# KiCad board EOutside.kicad_pcb (continued)
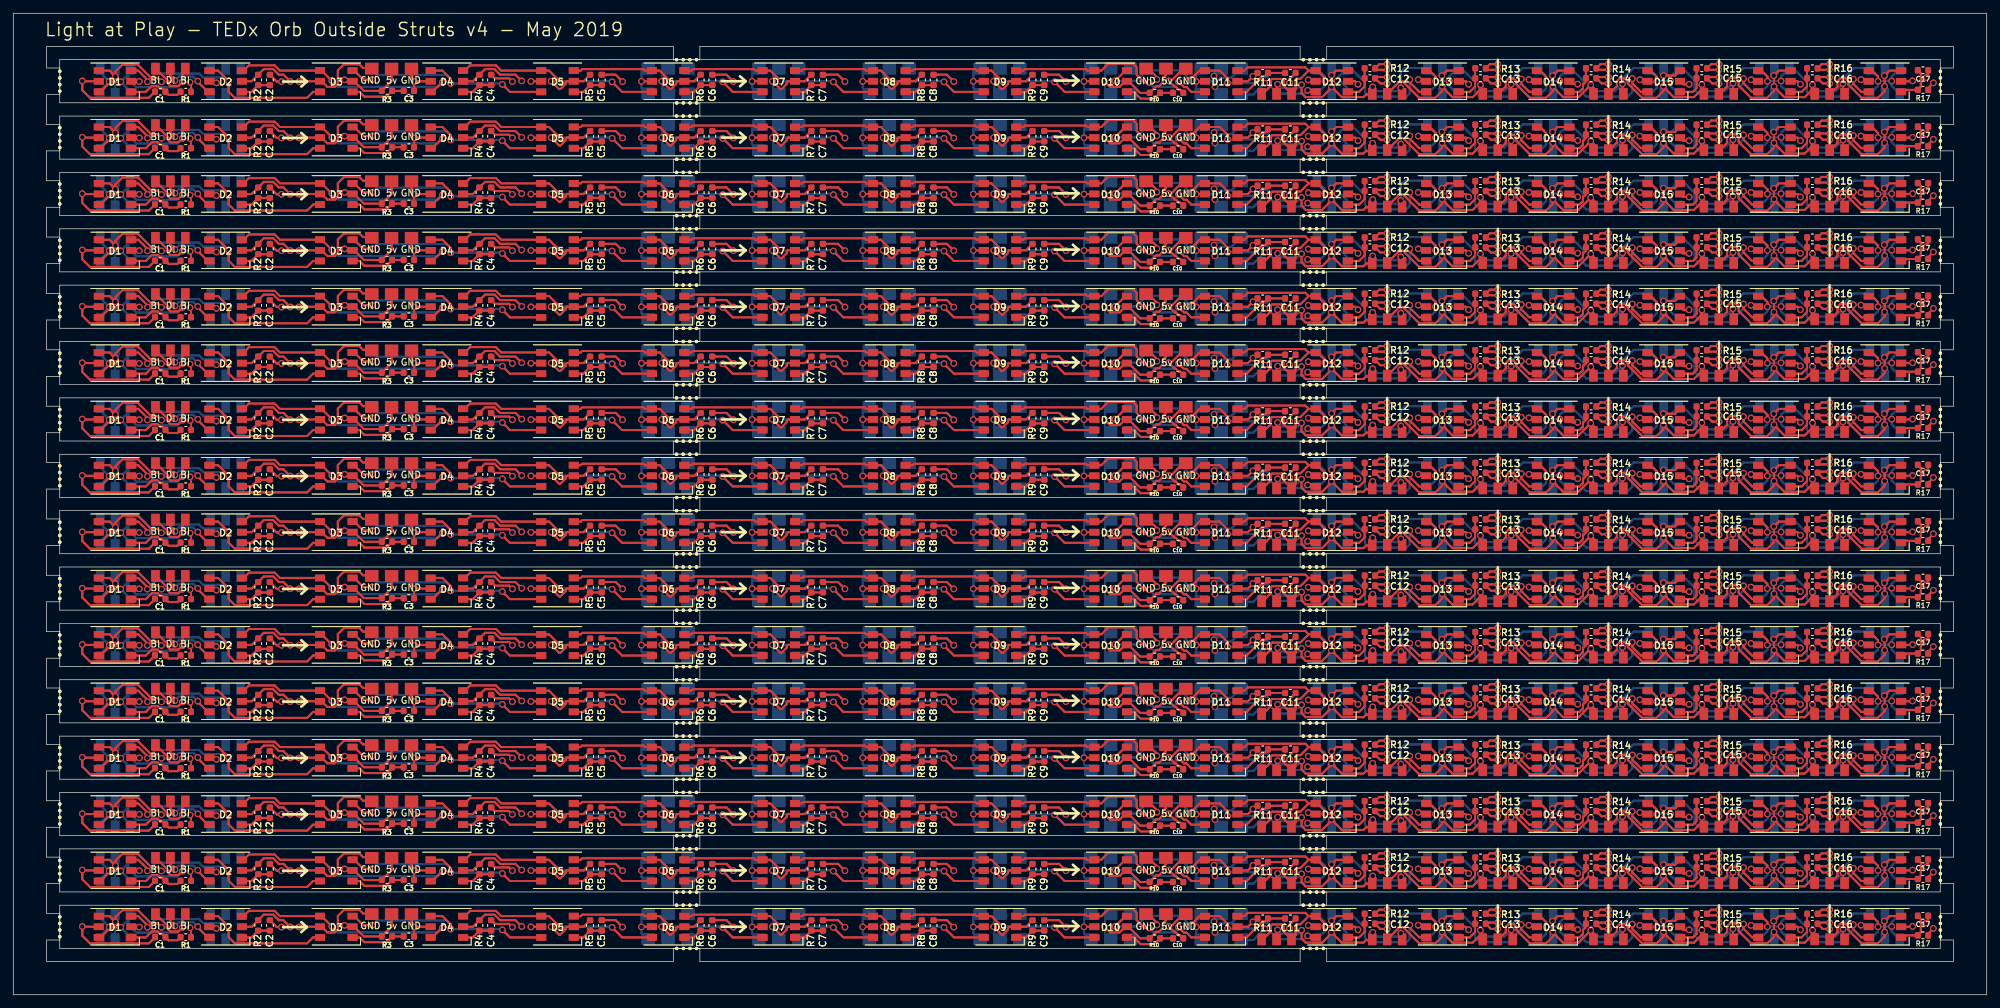
[diagram p0: board, top side]
## Routing (per net, layer and track width the routed paths; a pad name or vN(x,y) marks a point on that pad's centre or on a via; arc(x,y) is an arc through that point) (continued)
Net-(C17-Pad1): length 190.4
  Top w0.3: R17#2.2 287.4,128.41 ; R17#2.2 284.75,127.95 ; R17#2.2 284.75,127.95 ; R17#2.2 287.4,128.41 ; 287.4,128.41 287.4,130.44 ; 287.4,128.41 287.4,130.44 ; 287.4,130.44 C17#2.1 287.4,130.44 ; 284.75,127.95 D17#2.1 284.75,127.95 ; R17#3.2 287.4,119.91 ; R17#3.2 284.75,119.45 ; R17#3.2 287.4,119.91 ; R17#3.2 284.75,119.45 ; 287.4,119.91 287.4,121.94 ; 287.4,119.91 287.4,121.94 ; 287.4,121.94 C17#3.1 287.4,121.94 ; 284.75,119.45 D17#3.1 284.75,119.45 ; R17#4.2 284.75,110.95 ; R17#4.2 287.4,111.41 ; R17#4.2 284.75,110.95 ; R17#4.2 287.4,111.41 ; 284.75,110.95 D17#4.1 284.75,110.95 ; 287.4,111.41 287.4,113.44 ; 287.4,111.41 287.4,113.44 ; 287.4,113.44 C17#4.1 287.4,113.44 ; R17.2 287.4,136.91 ; R17.2 284.75,136.45 ; R17.2 287.4,136.91 ; R17.2 284.75,136.45 ; 287.4,136.91 287.4,138.94 ; 287.4,136.91 287.4,138.94 ; 287.4,138.94 C17.1 287.4,138.94 ; 284.75,136.45 D17.1 284.75,136.45 ; R17#11.2 287.4,102.91 ; R17#11.2 284.75,102.45 ; R17#11.2 287.4,102.91 ; R17#11.2 284.75,102.45 ; 287.4,102.91 287.4,104.94 ; 287.4,102.91 287.4,104.94 ; 287.4,104.94 C17#11.1 287.4,104.94 ; 284.75,102.45 D17#10.1 284.75,102.45 ; R17#13.2 284.75,93.95 ; R17#13.2 287.4,94.41 ; R17#13.2 284.75,93.95 ; R17#13.2 287.4,94.41 ; 284.75,93.95 D17#11.1 284.75,93.95 ; 287.4,94.41 287.4,96.44 ; 287.4,94.41 287.4,96.44 ; 287.4,96.44 C17#13.1 287.4,96.44 ; R17#10.2 284.75,76.95 ; R17#10.2 287.4,77.41 ; R17#10.2 284.75,76.95 ; R17#10.2 287.4,77.41 ; 284.75,76.95 D17#12.1 284.75,76.95 ; 287.4,77.41 287.4,79.44 ; 287.4,77.41 287.4,79.44 ; 287.4,79.44 C17#10.1 287.4,79.44 ; R17#9.2 287.4,85.91 ; R17#9.2 284.75,85.45 ; R17#9.2 287.4,85.91 ; R17#9.2 284.75,85.45 ; 287.4,85.91 287.4,87.94 ; 287.4,85.91 287.4,87.94 ; 287.4,87.94 C17#9.1 287.4,87.94 ; 284.75,85.45 D17#9.1 284.75,85.45 ; R17#20.2 284.75,51.45 ; R17#20.2 287.4,51.91 ; R17#20.2 287.4,51.91 ; R17#20.2 284.75,51.45 ; 284.75,51.45 D17#18.1 284.75,51.45 ; 287.4,51.91 287.4,53.94 ; 287.4,51.91 287.4,53.94 ; 287.4,53.94 C17#18.1 287.4,53.94 ; R17#17.2 284.75,59.95 ; R17#17.2 287.4,60.41 ; R17#17.2 284.75,59.95 ; R17#17.2 287.4,60.41 ; 284.75,59.95 D17#17.1 284.75,59.95 ; 287.4,60.41 287.4,62.44 ; 287.4,60.41 287.4,62.44 ; 287.4,62.44 C17#20.1 287.4,62.44 ; R17#22.2 287.4,68.91 ; R17#22.2 284.75,68.45 ; R17#22.2 287.4,68.91 ; R17#22.2 284.75,68.45 ; 287.4,68.91 287.4,70.94 ; 287.4,68.91 287.4,70.94 ; 287.4,70.94 C17#22.1 287.4,70.94 ; 284.75,68.45 D17#20.1 284.75,68.45 ; R17#19.2 284.75,42.95 ; R17#19.2 287.4,43.41 ; R17#19.2 284.75,42.95 ; R17#19.2 287.4,43.41 ; 284.75,42.95 D17#22.1 284.75,42.95 ; 287.4,43.41 287.4,45.44 ; 287.4,43.41 287.4,45.44 ; 287.4,45.44 C17#17.1 287.4,45.44 ; R17#29.2 284.75,8.95 ; R17#29.2 287.4,9.41 ; R17#29.2 284.75,8.95 ; R17#29.2 287.4,9.41 ; 284.75,8.95 D17#25.1 284.75,8.95 ; 287.4,9.41 287.4,11.44 ; 287.4,9.41 287.4,11.44 ; 287.4,11.44 C17#29.1 287.4,11.44 ; R17#27.2 287.4,34.91 ; R17#27.2 284.75,34.45 ; R17#27.2 287.4,34.91 ; R17#27.2 284.75,34.45 ; 287.4,34.91 287.4,36.94 ; 287.4,34.91 287.4,36.94 ; 287.4,36.94 C17#28.1 287.4,36.94 ; 284.75,34.45 D17#28.1 284.75,34.45 ; R17#25.2 287.4,17.91 ; R17#25.2 284.75,17.45 ; R17#25.2 287.4,17.91 ; R17#25.2 284.75,17.45 ; 287.4,17.91 287.4,19.94 ; 287.4,17.91 287.4,19.94 ; 287.4,19.94 C17#25.1 287.4,19.94 ; 284.75,17.45 D17#26.1 284.75,17.45 ; R17#30.2 284.75,25.95 ; R17#30.2 287.4,26.41 ; R17#30.2 284.75,25.95 ; R17#30.2 287.4,26.41 ; 284.75,25.95 D17#27.1 284.75,25.95 ; 287.4,26.41 287.4,28.44 ; 287.4,26.41 287.4,28.44 ; 287.4,28.44 C17#26.1 287.4,28.44
Net-(D1-Pad3): length 1157.3
  Top w0.3: 33.38,126.75 32.44,127.69 ; 33.38,126.75 44.27,126.75 ; 33.38,126.75 32.44,127.69 ; 33.38,126.75 44.27,126.75 ; 32.44,127.69 32.44,128.57 ; 32.44,127.69 32.44,128.57 ; 44.27,126.75 45.17,127.65 ; 44.27,126.75 45.17,127.65 ; 45.17,127.65 D3#2.6 45.17,127.65 ; 32.44,128.57 v1(32.44,129.27) ; 32.44,128.57 v1(32.44,129.27) ; 30.86,130.85 D2#2.4 30.86,130.85 ; 30.86,130.85 31.94,129.77 ; 30.86,130.85 31.94,129.77 ; v1(32.44,129.27) 31.94,129.77 ; v1(32.44,129.27) 31.94,129.77 ; 18.83,130.85 20.21,129.47 ; 18.83,130.85 D1#2.3 18.83,130.85 ; 18.83,130.85 20.21,129.47 ; 20.21,129.47 v1(20.21,129.17) 20.21,129.47 ; 33.38,118.25 32.44,119.19 ; 33.38,118.25 44.27,118.25 ; 33.38,118.25 32.44,119.19 ; 33.38,118.25 44.27,118.25 ; 32.44,119.19 32.44,120.07 ; 32.44,119.19 32.44,120.07 ; 44.27,118.25 45.17,119.15 ; 44.27,118.25 45.17,119.15 ; 45.17,119.15 D3#3.6 45.17,119.15 ; 32.44,120.07 v1(32.44,120.77) ; 32.44,120.07 v1(32.44,120.77) ; 30.86,122.35 D2#3.4 30.86,122.35 ; 30.86,122.35 31.94,121.27 ; 30.86,122.35 31.94,121.27 ; v1(32.44,120.77) 31.94,121.27 ; v1(32.44,120.77) 31.94,121.27 ; 18.83,122.35 20.21,120.97 ; 18.83,122.35 D1#4.3 18.83,122.35 ; 18.83,122.35 20.21,120.97 ; 20.21,120.97 v1(20.21,120.67) 20.21,120.97 ; 33.38,109.75 32.44,110.69 ; 33.38,109.75 44.27,109.75 ; 33.38,109.75 32.44,110.69 ; 33.38,109.75 44.27,109.75 ; 32.44,110.69 32.44,111.57 ; 32.44,110.69 32.44,111.57 ; 45.17,110.65 D3#4.6 45.17,110.65 ; 45.17,110.65 44.27,109.75 ; 45.17,110.65 44.27,109.75 ; 32.44,111.57 v1(32.44,112.27) ; 32.44,111.57 v1(32.44,112.27) ; 18.83,113.85 D1#3.3 18.83,113.85 ; 18.83,113.85 20.21,112.47 ; 18.83,113.85 20.21,112.47 ; 30.86,113.85 D2#4.4 30.86,113.85 ; 30.86,113.85 31.94,112.77 ; 30.86,113.85 31.94,112.77 ; v1(32.44,112.27) 31.94,112.77 ; v1(32.44,112.27) 31.94,112.77 ; 20.21,112.47 v1(20.21,112.17) 20.21,112.47 ; 33.38,135.25 32.44,136.19 ; 33.38,135.25 44.27,135.25 ; 33.38,135.25 32.44,136.19 ; 33.38,135.25 44.27,135.25 ; 32.44,136.19 32.44,137.07 ; 32.44,136.19 32.44,137.07 ; 44.27,135.25 45.17,136.15 ; 44.27,135.25 45.17,136.15 ; 45.17,136.15 D3.6 45.17,136.15 ; 32.44,137.07 v1(32.44,137.77) ; 32.44,137.07 v1(32.44,137.77) ; 30.86,139.35 D2.4 30.86,139.35 ; 30.86,139.35 31.94,138.27 ; 30.86,139.35 31.94,138.27 ; v1(32.44,137.77) 31.94,138.27 ; v1(32.44,137.77) 31.94,138.27 ; 18.83,139.35 20.21,137.97 ; 18.83,139.35 D1.3 18.83,139.35 ; 18.83,139.35 20.21,137.97 ; 20.21,137.97 v1(20.21,137.67) 20.21,137.97 ; 33.38,101.25 32.44,102.19 ; 33.38,101.25 44.27,101.25 ; 33.38,101.25 32.44,102.19 ; 33.38,101.25 44.27,101.25 ; 32.44,102.19 32.44,103.07 ; 32.44,102.19 32.44,103.07 ; 44.27,101.25 45.17,102.15 ; 44.27,101.25 45.17,102.15 ; 45.17,102.15 D3#11.6 45.17,102.15 ; 32.44,103.07 v1(32.44,103.77) ; 32.44,103.07 v1(32.44,103.77) ; 30.86,105.35 D2#12.4 30.86,105.35 ; 30.86,105.35 31.94,104.27 ; 30.86,105.35 31.94,104.27 ; v1(32.44,103.77) 31.94,104.27 ; v1(32.44,103.77) 31.94,104.27 ; 18.83,105.35 20.21,103.97 ; 18.83,105.35 D1#14.3 18.83,105.35 ; 18.83,105.35 20.21,103.97 ; 20.21,103.97 v1(20.21,103.67) 20.21,103.97 ; 33.38,92.75 32.44,93.69 ; 33.38,92.75 44.27,92.75 ; 33.38,92.75 32.44,93.69 ; 33.38,92.75 44.27,92.75 ; 32.44,93.69 32.44,94.57 ; 32.44,93.69 32.44,94.57 ; 45.17,93.65 D3#13.6 45.17,93.65 ; 45.17,93.65 44.27,92.75 ; 45.17,93.65 44.27,92.75 ; 32.44,94.57 v1(32.44,95.27) ; 32.44,94.57 v1(32.44,95.27) ; 18.83,96.85 D1#11.3 18.83,96.85 ; 18.83,96.85 20.21,95.47 ; 18.83,96.85 20.21,95.47 ; 30.86,96.85 D2#14.4 30.86,96.85 ; 30.86,96.85 31.94,95.77 ; 30.86,96.85 31.94,95.77 ; v1(32.44,95.27) 31.94,95.77 ; v1(32.44,95.27) 31.94,95.77 ; 20.21,95.47 v1(20.21,95.17) 20.21,95.47 ; 33.38,75.75 32.44,76.69 ; 33.38,75.75 44.27,75.75 ; 33.38,75.75 32.44,76.69 ; 33.38,75.75 44.27,75.75 ; 32.44,76.69 32.44,77.57 ; 32.44,76.69 32.44,77.57 ; 45.17,76.65 D3#10.6 45.17,76.65 ; 45.17,76.65 44.27,75.75 ; 45.17,76.65 44.27,75.75 ; 32.44,77.57 v1(32.44,78.27) ; 32.44,77.57 v1(32.44,78.27) ; 18.83,79.85 D1#9.3 18.83,79.85 ; 18.83,79.85 20.21,78.47 ; 18.83,79.85 20.21,78.47 ; 30.86,79.85 D2#11.4 30.86,79.85 ; 30.86,79.85 31.94,78.77 ; 30.86,79.85 31.94,78.77 ; v1(32.44,78.27) 31.94,78.77 ; v1(32.44,78.27) 31.94,78.77 ; 20.21,78.47 v1(20.21,78.17) 20.21,78.47 ; 33.38,84.25 32.44,85.19 ; 33.38,84.25 44.27,84.25 ; 33.38,84.25 32.44,85.19 ; 33.38,84.25 44.27,84.25 ; 32.44,85.19 32.44,86.07 ; 32.44,85.19 32.44,86.07 ; 44.27,84.25 45.17,85.15 ; 44.27,84.25 45.17,85.15 ; 45.17,85.15 D3#9.6 45.17,85.15 ; 32.44,86.07 v1(32.44,86.77) ; 32.44,86.07 v1(32.44,86.77) ; 30.86,88.35 D2#9.4 30.86,88.35 ; 30.86,88.35 31.94,87.27 ; 30.86,88.35 31.94,87.27 ; v1(32.44,86.77) 31.94,87.27 ; v1(32.44,86.77) 31.94,87.27 ; 18.83,88.35 20.21,86.97 ; 18.83,88.35 D1#10.3 18.83,88.35 ; 18.83,88.35 20.21,86.97 ; 20.21,86.97 v1(20.21,86.67) 20.21,86.97 ; 33.38,67.25 32.44,68.19 ; 33.38,67.25 44.27,67.25 ; 33.38,67.25 32.44,68.19 ; 33.38,67.25 44.27,67.25 ; 32.44,68.19 32.44,69.07 ; 32.44,68.19 32.44,69.07 ; 44.27,67.25 45.17,68.15 ; 44.27,67.25 45.17,68.15 ; 45.17,68.15 D3#18.6 45.17,68.15 ; 32.44,69.07 v1(32.44,69.77) ; 32.44,69.07 v1(32.44,69.77) ; 30.86,71.35 D2#19.4 30.86,71.35 ; 30.86,71.35 31.94,70.27 ; 30.86,71.35 31.94,70.27 ; v1(32.44,69.77) 31.94,70.27 ; v1(32.44,69.77) 31.94,70.27 ; 18.83,71.35 20.21,69.97 ; 18.83,71.35 D1#20.3 18.83,71.35 ; 18.83,71.35 20.21,69.97 ; 20.21,69.97 v1(20.21,69.67) 20.21,69.97 ; 18.83,62.85 D1#17.3 18.83,62.85 ; 18.83,62.85 20.21,61.47 ; 18.83,62.85 20.21,61.47 ; 30.86,62.85 D2#20.4 30.86,62.85 ; 30.86,62.85 31.94,61.77 ; 30.86,62.85 31.94,61.77 ; 32.44,60.57 v1(32.44,61.27) ; 32.44,60.57 32.44,59.69 ; 32.44,60.57 32.44,59.69 ; 32.44,60.57 v1(32.44,61.27) ; v1(32.44,61.27) 31.94,61.77 ; v1(32.44,61.27) 31.94,61.77 ; 20.21,61.47 v1(20.21,61.17) 20.21,61.47 ; 45.17,59.65 44.27,58.75 ; 45.17,59.65 D3#19.6 45.17,59.65 ; 45.17,59.65 44.27,58.75 ; 44.27,58.75 33.38,58.75 ; 44.27,58.75 33.38,58.75 ; 33.38,58.75 32.44,59.69 ; 33.38,58.75 32.44,59.69 ; 33.38,41.75 32.44,42.69 ; 33.38,41.75 44.27,41.75 ; 33.38,41.75 32.44,42.69 ; 33.38,41.75 44.27,41.75 ; 32.44,42.69 32.44,43.57 ; 32.44,42.69 32.44,43.57 ; 45.17,42.65 D3#17.6 45.17,42.65 ; 45.17,42.65 44.27,41.75 ; 45.17,42.65 44.27,41.75 ; 32.44,43.57 v1(32.44,44.27) ; 32.44,43.57 v1(32.44,44.27) ; 18.83,45.85 D1#18.3 18.83,45.85 ; 18.83,45.85 20.21,44.47 ; 18.83,45.85 20.21,44.47 ; 30.86,45.85 D2#18.4 30.86,45.85 ; 30.86,45.85 31.94,44.77 ; 30.86,45.85 31.94,44.77 ; v1(32.44,44.27) 31.94,44.77 ; v1(32.44,44.27) 31.94,44.77 ; 20.21,44.47 v1(20.21,44.17) 20.21,44.47 ; 33.38,50.25 32.44,51.19 ; 33.38,50.25 44.27,50.25 ; 33.38,50.25 32.44,51.19 ; 33.38,50.25 44.27,50.25 ; 32.44,51.19 32.44,52.07 ; 32.44,51.19 32.44,52.07 ; 44.27,50.25 45.17,51.15 ; 44.27,50.25 45.17,51.15 ; 45.17,51.15 D3#23.6 45.17,51.15 ; 32.44,52.07 v1(32.44,52.77) ; 32.44,52.07 v1(32.44,52.77) ; 30.86,54.35 D2#17.4 30.86,54.35 ; 30.86,54.35 31.94,53.27 ; 30.86,54.35 31.94,53.27 ; v1(32.44,52.77) 31.94,53.27 ; v1(32.44,52.77) 31.94,53.27 ; 18.83,54.35 20.21,52.97 ; 18.83,54.35 D1#22.3 18.83,54.35 ; 18.83,54.35 20.21,52.97 ; 20.21,52.97 v1(20.21,52.67) 20.21,52.97 ; 33.38,24.75 32.44,25.69 ; 33.38,24.75 44.27,24.75 ; 33.38,24.75 32.44,25.69 ; 33.38,24.75 44.27,24.75 ; 32.44,25.69 32.44,26.57 ; 32.44,25.69 32.44,26.57 ; 45.17,25.65 D3#25.6 45.17,25.65 ; 45.17,25.65 44.27,24.75 ; 45.17,25.65 44.27,24.75 ; 32.44,26.57 v1(32.44,27.27) ; 32.44,26.57 v1(32.44,27.27) ; 18.83,28.85 D1#27.3 18.83,28.85 ; 18.83,28.85 20.21,27.47 ; 18.83,28.85 20.21,27.47 ; 30.86,28.85 D2#25.4 30.86,28.85 ; 30.86,28.85 31.94,27.77 ; 30.86,28.85 31.94,27.77 ; v1(32.44,27.27) 31.94,27.77 ; v1(32.44,27.27) 31.94,27.77 ; 20.21,27.47 v1(20.21,27.17) 20.21,27.47 ; 33.38,7.75 32.44,8.69 ; 33.38,7.75 44.27,7.75 ; 33.38,7.75 32.44,8.69 ; 33.38,7.75 44.27,7.75 ; 32.44,8.69 32.44,9.57 ; 32.44,8.69 32.44,9.57 ; 45.17,8.65 D3#28.6 45.17,8.65 ; 45.17,8.65 44.27,7.75 ; 45.17,8.65 44.27,7.75 ; 32.44,9.57 v1(32.44,10.27) ; 32.44,9.57 v1(32.44,10.27) ; 33.38,33.25 32.44,34.19 ; 33.38,33.25 44.27,33.25 ; 33.38,33.25 32.44,34.19 ; 33.38,33.25 44.27,33.25 ; 32.44,34.19 32.44,35.07 ; 32.44,34.19 32.44,35.07 ; 44.27,33.25 45.17,34.15 ; 44.27,33.25 45.17,34.15 ; 45.17,34.15 D3#27.6 45.17,34.15 ; 32.44,35.07 v1(32.44,35.77) ; 32.44,35.07 v1(32.44,35.77) ; 30.86,37.35 D2#30.4 30.86,37.35 ; 30.86,37.35 31.94,36.27 ; 30.86,37.35 31.94,36.27 ; v1(32.44,35.77) 31.94,36.27 ; v1(32.44,35.77) 31.94,36.27 ; 18.83,37.35 20.21,35.97 ; 18.83,37.35 D1#25.3 18.83,37.35 ; 18.83,37.35 20.21,35.97 ; 20.21,35.97 v1(20.21,35.67) 20.21,35.97 ; 33.38,16.25 32.44,17.19 ; 33.38,16.25 44.27,16.25 ; 33.38,16.25 32.44,17.19 ; 33.38,16.25 44.27,16.25 ; 32.44,17.19 32.44,18.07 ; 32.44,17.19 32.44,18.07 ; 44.27,16.25 45.17,17.15 ; 44.27,16.25 45.17,17.15 ; 45.17,17.15 D3#26.6 45.17,17.15 ; 32.44,18.07 v1(32.44,18.77) ; 32.44,18.07 v1(32.44,18.77) ; 30.86,20.35 D2#28.4 30.86,20.35 ; 30.86,20.35 31.94,19.27 ; 30.86,20.35 31.94,19.27 ; v1(32.44,18.77) 31.94,19.27 ; v1(32.44,18.77) 31.94,19.27 ; 18.83,20.35 20.21,18.97 ; 18.83,20.35 D1#28.3 18.83,20.35 ; 18.83,20.35 20.21,18.97 ; 20.21,18.97 v1(20.21,18.67) 20.21,18.97 ; 18.83,11.85 D1#26.3 18.83,11.85 ; 18.83,11.85 20.21,10.47 ; 18.83,11.85 20.21,10.47 ; 30.86,11.85 D2#26.4 30.86,11.85 ; 30.86,11.85 31.94,10.77 ; 30.86,11.85 31.94,10.77 ; v1(32.44,10.27) 31.94,10.77 ; v1(32.44,10.27) 31.94,10.77 ; 20.21,10.47 v1(20.21,10.17) 20.21,10.47
  Bottom w0.3: 21.45,130.4 20.71,129.67 ; 21.45,130.4 28,130.4 ; 21.45,130.4 28,130.4 ; 21.45,130.4 20.71,129.67 ; 20.71,129.67 v1(20.21,129.17) 20.71,129.67 ; 31.91,129.81 28.59,129.81 ; 31.91,129.81 v1(32.44,129.27) 31.91,129.81 ; 31.91,129.81 28.59,129.81 ; 28.59,129.81 28,130.4 ; 28.59,129.81 28,130.4 ; 21.45,121.9 20.71,121.17 ; 21.45,121.9 28,121.9 ; 21.45,121.9 20.71,121.17 ; 21.45,121.9 28,121.9 ; 20.71,121.17 v1(20.21,120.67) 20.71,121.17 ; 31.91,121.31 28.59,121.31 ; 31.91,121.31 v1(32.44,120.77) 31.91,121.31 ; 31.91,121.31 28.59,121.31 ; 28.59,121.31 28,121.9 ; 28.59,121.31 28,121.9 ; 31.91,112.81 v1(32.44,112.27) 31.91,112.81 ; 31.91,112.81 28.59,112.81 ; 31.91,112.81 28.59,112.81 ; 28.59,112.81 28,113.4 ; 28.59,112.81 28,113.4 ; 28,113.4 21.45,113.4 ; 28,113.4 21.45,113.4 ; 20.71,112.67 v1(20.21,112.17) 20.71,112.67 ; 20.71,112.67 21.45,113.4 ; 20.71,112.67 21.45,113.4 ; 21.45,138.9 20.71,138.17 ; 21.45,138.9 28,138.9 ; 21.45,138.9 28,138.9 ; 21.45,138.9 20.71,138.17 ; 20.71,138.17 v1(20.21,137.67) 20.71,138.17 ; 31.91,138.31 28.59,138.31 ; 31.91,138.31 v1(32.44,137.77) 31.91,138.31 ; 31.91,138.31 28.59,138.31 ; 28.59,138.31 28,138.9 ; 28.59,138.31 28,138.9 ; 21.45,104.9 20.71,104.17 ; 21.45,104.9 28,104.9 ; 21.45,104.9 20.71,104.17 ; 21.45,104.9 28,104.9 ; 20.71,104.17 v1(20.21,103.67) 20.71,104.17 ; 31.91,104.31 28.59,104.31 ; 31.91,104.31 v1(32.44,103.77) 31.91,104.31 ; 31.91,104.31 28.59,104.31 ; 28.59,104.31 28,104.9 ; 28.59,104.31 28,104.9 ; 31.91,95.81 v1(32.44,95.27) 31.91,95.81 ; 31.91,95.81 28.59,95.81 ; 31.91,95.81 28.59,95.81 ; 28.59,95.81 28,96.4 ; 28.59,95.81 28,96.4 ; 28,96.4 21.45,96.4 ; 28,96.4 21.45,96.4 ; 20.71,95.67 v1(20.21,95.17) 20.71,95.67 ; 20.71,95.67 21.45,96.4 ; 20.71,95.67 21.45,96.4 ; 31.91,78.81 v1(32.44,78.27) 31.91,78.81 ; 31.91,78.81 28.59,78.81 ; 31.91,78.81 28.59,78.81 ; 28.59,78.81 28,79.4 ; 28.59,78.81 28,79.4 ; 28,79.4 21.45,79.4 ; 28,79.4 21.45,79.4 ; 20.71,78.67 v1(20.21,78.17) 20.71,78.67 ; 20.71,78.67 21.45,79.4 ; 20.71,78.67 21.45,79.4 ; 21.45,87.9 20.71,87.17 ; 21.45,87.9 28,87.9 ; 21.45,87.9 20.71,87.17 ; 21.45,87.9 28,87.9 ; 20.71,87.17 v1(20.21,86.67) 20.71,87.17 ; 31.91,87.31 28.59,87.31 ; 31.91,87.31 v1(32.44,86.77) 31.91,87.31 ; 31.91,87.31 28.59,87.31 ; 28.59,87.31 28,87.9 ; 28.59,87.31 28,87.9 ; 21.45,70.9 20.71,70.17 ; 21.45,70.9 28,70.9 ; 21.45,70.9 20.71,70.17 ; 21.45,70.9 28,70.9 ; 20.71,70.17 v1(20.21,69.67) 20.71,70.17 ; 31.91,70.31 28.59,70.31 ; 31.91,70.31 v1(32.44,69.77) 31.91,70.31 ; 31.91,70.31 28.59,70.31 ; 28.59,70.31 28,70.9 ; 28.59,70.31 28,70.9 ; 31.91,61.81 v1(32.44,61.27) 31.91,61.81 ; 31.91,61.81 28.59,61.81 ; 31.91,61.81 28.59,61.81 ; 28.59,61.81 28,62.4 ; 28.59,61.81 28,62.4 ; 28,62.4 21.45,62.4 ; 28,62.4 21.45,62.4 ; 20.71,61.67 v1(20.21,61.17) 20.71,61.67 ; 20.71,61.67 21.45,62.4 ; 20.71,61.67 21.45,62.4 ; 31.91,44.81 v1(32.44,44.27) 31.91,44.81 ; 31.91,44.81 28.59,44.81 ; 31.91,44.81 28.59,44.81 ; 28.59,44.81 28,45.4 ; 28.59,44.81 28,45.4 ; 28,45.4 21.45,45.4 ; 28,45.4 21.45,45.4 ; 20.71,44.67 v1(20.21,44.17) 20.71,44.67 ; 20.71,44.67 21.45,45.4 ; 20.71,44.67 21.45,45.4 ; 21.45,53.9 20.71,53.17 ; 21.45,53.9 28,53.9 ; 21.45,53.9 20.71,53.17 ; 21.45,53.9 28,53.9 ; 20.71,53.17 v1(20.21,52.67) 20.71,53.17 ; 31.91,53.31 28.59,53.31 ; 31.91,53.31 v1(32.44,52.77) 31.91,53.31 ; 31.91,53.31 28.59,53.31 ; 28.59,53.31 28,53.9 ; 28.59,53.31 28,53.9 ; 31.91,27.81 v1(32.44,27.27) 31.91,27.81 ; 31.91,27.81 28.59,27.81 ; 31.91,27.81 28.59,27.81 ; 28.59,27.81 28,28.4 ; 28.59,27.81 28,28.4 ; 28,28.4 21.45,28.4 ; 28,28.4 21.45,28.4 ; 20.71,27.67 v1(20.21,27.17) 20.71,27.67 ; 20.71,27.67 21.45,28.4 ; 20.71,27.67 21.45,28.4 ; 21.45,36.9 20.71,36.17 ; 21.45,36.9 28,36.9 ; 21.45,36.9 20.71,36.17 ; 21.45,36.9 28,36.9 ; 20.71,36.17 v1(20.21,35.67) 20.71,36.17 ; 31.91,36.31 28.59,36.31 ; 31.91,36.31 v1(32.44,35.77) 31.91,36.31 ; 31.91,36.31 28.59,36.31 ; 28.59,36.31 28,36.9 ; 28.59,36.31 28,36.9 ; 21.45,19.9 20.71,19.17 ; 21.45,19.9 28,19.9 ; 21.45,19.9 20.71,19.17 ; 21.45,19.9 28,19.9 ; 20.71,19.17 v1(20.21,18.67) 20.71,19.17 ; 31.91,19.31 28.59,19.31 ; 31.91,19.31 v1(32.44,18.77) 31.91,19.31 ; 31.91,19.31 28.59,19.31 ; 28.59,19.31 28,19.9 ; 28.59,19.31 28,19.9 ; 31.91,10.81 v1(32.44,10.27) 31.91,10.81 ; 31.91,10.81 28.59,10.81 ; 31.91,10.81 28.59,10.81 ; 28.59,10.81 28,11.4 ; 28.59,10.81 28,11.4 ; 28,11.4 21.45,11.4 ; 28,11.4 21.45,11.4 ; 20.71,10.67 v1(20.21,10.17) 20.71,10.67 ; 20.71,10.67 21.45,11.4 ; 20.71,10.67 21.45,11.4
Net-(D1-Pad4): length 913.5
  Top w0.3: 23.85,129.87 v1(24.35,129.37) 23.85,129.87 ; 23.85,129.87 23.67,130.05 ; 23.85,129.87 23.67,130.05 ; 23.67,130.05 23.67,130.63 23.67,130.05 ; 27.8,129.15 v1(27.8,129.28) 27.8,129.15 ; 27.8,129.15 29.3,127.65 ; 27.8,129.15 29.3,127.65 ; 29.3,127.65 D2#2.6 29.3,127.65 ; 14.89,130.48 v1(15.39,129.98) ; 14.89,130.48 14.52,130.85 ; 14.89,130.48 v1(15.39,129.98) ; 14.89,130.48 14.52,130.85 ; v1(15.39,129.98) 15.39,130.69 ; v1(15.39,129.98) 15.39,130.69 ; 14.52,130.85 D1#2.4 14.52,130.85 ; 15.39,130.69 16.45,131.75 ; 15.39,130.69 16.45,131.75 ; 16.45,131.75 18.77,131.75 ; 16.45,131.75 18.77,131.75 ; 18.77,131.75 20.77,129.75 ; 18.77,131.75 20.77,129.75 ; 20.77,129.75 21.74,129.75 ; 20.77,129.75 21.74,129.75 ; 21.74,129.75 21.83,129.66 ; 21.74,129.75 21.83,129.66 ; 21.83,129.66 v1(22.33,129.16) 21.83,129.66 ; 23.85,121.37 v1(24.35,120.87) 23.85,121.37 ; 23.85,121.37 23.67,121.55 ; 23.85,121.37 23.67,121.55 ; 23.67,121.55 23.67,122.13 23.67,121.55 ; 27.8,120.65 v1(27.8,120.78) 27.8,120.65 ; 27.8,120.65 29.3,119.15 ; 27.8,120.65 29.3,119.15 ; 29.3,119.15 D2#3.6 29.3,119.15 ; 14.89,121.98 v1(15.39,121.48) ; 14.89,121.98 14.52,122.35 ; 14.89,121.98 14.52,122.35 ; 14.89,121.98 v1(15.39,121.48) ; v1(15.39,121.48) 15.39,122.19 ; v1(15.39,121.48) 15.39,122.19 ; 14.52,122.35 D1#4.4 14.52,122.35 ; 15.39,122.19 16.45,123.25 ; 15.39,122.19 16.45,123.25 ; 16.45,123.25 18.77,123.25 ; 16.45,123.25 18.77,123.25 ; 18.77,123.25 20.77,121.25 ; 18.77,123.25 20.77,121.25 ; 20.77,121.25 21.74,121.25 ; 20.77,121.25 21.74,121.25 ; 21.74,121.25 21.83,121.16 ; 21.74,121.25 21.83,121.16 ; 21.83,121.16 v1(22.33,120.66) 21.83,121.16 ; 23.85,112.87 v1(24.35,112.37) 23.85,112.87 ; 23.85,112.87 23.67,113.05 ; 23.85,112.87 23.67,113.05 ; 23.67,113.05 23.67,113.63 23.67,113.05 ; 27.8,112.15 v1(27.8,112.28) 27.8,112.15 ; 27.8,112.15 29.3,110.65 ; 27.8,112.15 29.3,110.65 ; 29.3,110.65 D2#4.6 29.3,110.65 ; 14.89,113.48 v1(15.39,112.98) ; 14.89,113.48 14.52,113.85 ; 14.89,113.48 14.52,113.85 ; 14.89,113.48 v1(15.39,112.98) ; v1(15.39,112.98) 15.39,113.69 ; v1(15.39,112.98) 15.39,113.69 ; 14.52,113.85 D1#3.4 14.52,113.85 ; 15.39,113.69 16.45,114.75 ; 15.39,113.69 16.45,114.75 ; 16.45,114.75 18.77,114.75 ; 16.45,114.75 18.77,114.75 ; 18.77,114.75 20.77,112.75 ; 18.77,114.75 20.77,112.75 ; 20.77,112.75 21.74,112.75 ; 20.77,112.75 21.74,112.75 ; 21.74,112.75 21.83,112.66 ; 21.74,112.75 21.83,112.66 ; 21.83,112.66 v1(22.33,112.16) 21.83,112.66 ; 23.85,138.37 v1(24.35,137.87) 23.85,138.37 ; 23.85,138.37 23.67,138.55 ; 23.85,138.37 23.67,138.55 ; 23.67,138.55 23.67,139.13 23.67,138.55 ; 27.8,137.65 v1(27.8,137.78) 27.8,137.65 ; 27.8,137.65 29.3,136.15 ; 27.8,137.65 29.3,136.15 ; 29.3,136.15 D2.6 29.3,136.15 ; 14.89,138.98 v1(15.39,138.48) ; 14.89,138.98 14.52,139.35 ; 14.89,138.98 v1(15.39,138.48) ; 14.89,138.98 14.52,139.35 ; v1(15.39,138.48) 15.39,139.19 ; v1(15.39,138.48) 15.39,139.19 ; 14.52,139.35 D1.4 14.52,139.35 ; 15.39,139.19 16.45,140.25 ; 15.39,139.19 16.45,140.25 ; 16.45,140.25 18.77,140.25 ; 16.45,140.25 18.77,140.25 ; 18.77,140.25 20.77,138.25 ; 18.77,140.25 20.77,138.25 ; 20.77,138.25 21.74,138.25 ; 20.77,138.25 21.74,138.25 ; 21.74,138.25 21.83,138.16 ; 21.74,138.25 21.83,138.16 ; 21.83,138.16 v1(22.33,137.66) 21.83,138.16 ; 23.85,104.37 v1(24.35,103.87) 23.85,104.37 ; 23.85,104.37 23.67,104.55 ; 23.85,104.37 23.67,104.55 ; 23.67,104.55 23.67,105.13 23.67,104.55 ; 27.8,103.65 v1(27.8,103.78) 27.8,103.65 ; 27.8,103.65 29.3,102.15 ; 27.8,103.65 29.3,102.15 ; 29.3,102.15 D2#12.6 29.3,102.15 ; 14.89,104.98 v1(15.39,104.48) ; 14.89,104.98 14.52,105.35 ; 14.89,104.98 v1(15.39,104.48) ; 14.89,104.98 14.52,105.35 ; v1(15.39,104.48) 15.39,105.19 ; v1(15.39,104.48) 15.39,105.19 ; 14.52,105.35 D1#14.4 14.52,105.35 ; 15.39,105.19 16.45,106.25 ; 15.39,105.19 16.45,106.25 ; 16.45,106.25 18.77,106.25 ; 16.45,106.25 18.77,106.25 ; 18.77,106.25 20.77,104.25 ; 18.77,106.25 20.77,104.25 ; 20.77,104.25 21.74,104.25 ; 20.77,104.25 21.74,104.25 ; 21.74,104.25 21.83,104.16 ; 21.74,104.25 21.83,104.16 ; 21.83,104.16 v1(22.33,103.66) 21.83,104.16 ; 23.85,95.87 v1(24.35,95.37) 23.85,95.87 ; 23.85,95.87 23.67,96.05 ; 23.85,95.87 23.67,96.05 ; 23.67,96.05 23.67,96.63 23.67,96.05 ; 27.8,95.15 v1(27.8,95.28) 27.8,95.15 ; 27.8,95.15 29.3,93.65 ; 27.8,95.15 29.3,93.65 ; 29.3,93.65 D2#14.6 29.3,93.65 ; 14.89,96.48 v1(15.39,95.98) ; 14.89,96.48 14.52,96.85 ; 14.89,96.48 14.52,96.85 ; 14.89,96.48 v1(15.39,95.98) ; v1(15.39,95.98) 15.39,96.69 ; v1(15.39,95.98) 15.39,96.69 ; 14.52,96.85 D1#11.4 14.52,96.85 ; 15.39,96.69 16.45,97.75 ; 15.39,96.69 16.45,97.75 ; 16.45,97.75 18.77,97.75 ; 16.45,97.75 18.77,97.75 ; 18.77,97.75 20.77,95.75 ; 18.77,97.75 20.77,95.75 ; 20.77,95.75 21.74,95.75 ; 20.77,95.75 21.74,95.75 ; 21.74,95.75 21.83,95.66 ; 21.74,95.75 21.83,95.66 ; 21.83,95.66 v1(22.33,95.16) 21.83,95.66 ; 15.39,79.69 16.45,80.75 ; 15.39,79.69 v1(15.39,78.98) ; 15.39,79.69 16.45,80.75 ; 15.39,79.69 v1(15.39,78.98) ; 16.45,80.75 18.77,80.75 ; 16.45,80.75 18.77,80.75 ; v1(15.39,78.98) 14.89,79.48 ; v1(15.39,78.98) 14.89,79.48 ; 18.77,80.75 20.77,78.75 ; 18.77,80.75 20.77,78.75 ; 20.77,78.75 21.74,78.75 ; 20.77,78.75 21.74,78.75 ; 21.74,78.75 21.83,78.66 ; 21.74,78.75 21.83,78.66 ; 21.83,78.66 v1(22.33,78.16) 21.83,78.66 ; 29.3,76.65 27.8,78.15 ; 29.3,76.65 D2#11.6 29.3,76.65 ; 29.3,76.65 27.8,78.15 ; 27.8,78.15 v1(27.8,78.28) 27.8,78.15 ; 23.67,79.05 23.85,78.87 ; 23.67,79.05 23.67,79.63 23.67,79.05 ; 23.67,79.05 23.85,78.87 ; 23.85,78.87 v1(24.35,78.37) 23.85,78.87 ; 14.52,79.85 14.89,79.48 ; 14.52,79.85 D1#9.4 14.52,79.85 ; 14.52,79.85 14.89,79.48 ; 14.52,88.35 14.89,87.98 ; 14.52,88.35 D1#10.4 14.52,88.35 ; 14.52,88.35 14.89,87.98 ; 14.89,87.98 v1(15.39,87.48) ; 14.89,87.98 v1(15.39,87.48) ; 15.39,88.19 16.45,89.25 ; 15.39,88.19 v1(15.39,87.48) ; 15.39,88.19 16.45,89.25 ; 15.39,88.19 v1(15.39,87.48) ; 16.45,89.25 18.77,89.25 ; 16.45,89.25 18.77,89.25 ; 18.77,89.25 20.77,87.25 ; 18.77,89.25 20.77,87.25 ; 20.77,87.25 21.74,87.25 ; 20.77,87.25 21.74,87.25 ; 21.74,87.25 21.83,87.16 ; 21.74,87.25 21.83,87.16 ; 21.83,87.16 v1(22.33,86.66) 21.83,87.16 ; 29.3,85.15 27.8,86.65 ; 29.3,85.15 D2#9.6 29.3,85.15 ; 29.3,85.15 27.8,86.65 ; 27.8,86.65 v1(27.8,86.78) 27.8,86.65 ; 23.67,87.55 23.85,87.37 ; 23.67,87.55 23.67,88.13 23.67,87.55 ; 23.67,87.55 23.85,87.37 ; 23.85,87.37 v1(24.35,86.87) 23.85,87.37 ; 23.67,70.55 23.67,71.13 23.67,70.55 ; 23.67,70.55 23.85,70.37 ; 23.67,70.55 23.85,70.37 ; 27.8,69.65 v1(27.8,69.78) 27.8,69.65 ; 27.8,69.65 29.3,68.15 ; 27.8,69.65 29.3,68.15 ; 29.3,68.15 D2#19.6 29.3,68.15 ; 23.85,70.37 v1(24.35,69.87) 23.85,70.37 ; 14.89,70.98 v1(15.39,70.48) ; 14.89,70.98 14.52,71.35 ; 14.89,70.98 v1(15.39,70.48) ; 14.89,70.98 14.52,71.35 ; v1(15.39,70.48) 15.39,71.19 ; v1(15.39,70.48) 15.39,71.19 ; 14.52,71.35 D1#20.4 14.52,71.35 ; 15.39,71.19 16.45,72.25 ; 15.39,71.19 16.45,72.25 ; 16.45,72.25 18.77,72.25 ; 16.45,72.25 18.77,72.25 ; 18.77,72.25 20.77,70.25 ; 18.77,72.25 20.77,70.25 ; 20.77,70.25 21.74,70.25 ; 20.77,70.25 21.74,70.25 ; 21.74,70.25 21.83,70.16 ; 21.74,70.25 21.83,70.16 ; 21.83,70.16 v1(22.33,69.66) 21.83,70.16 ; 23.85,61.87 v1(24.35,61.37) 23.85,61.87 ; 23.85,61.87 23.67,62.05 ; 23.85,61.87 23.67,62.05 ; 23.67,62.05 23.67,62.63 23.67,62.05 ; 27.8,61.15 v1(27.8,61.28) 27.8,61.15 ; 27.8,61.15 29.3,59.65 ; 27.8,61.15 29.3,59.65 ; 29.3,59.65 D2#20.6 29.3,59.65 ; 14.89,62.48 v1(15.39,61.98) ; 14.89,62.48 14.52,62.85 ; 14.89,62.48 v1(15.39,61.98) ; 14.89,62.48 14.52,62.85 ; v1(15.39,61.98) 15.39,62.69 ; v1(15.39,61.98) 15.39,62.69 ; 14.52,62.85 D1#17.4 14.52,62.85 ; 15.39,62.69 16.45,63.75 ; 15.39,62.69 16.45,63.75 ; 16.45,63.75 18.77,63.75 ; 16.45,63.75 18.77,63.75 ; 18.77,63.75 20.77,61.75 ; 18.77,63.75 20.77,61.75 ; 20.77,61.75 21.74,61.75 ; 20.77,61.75 21.74,61.75 ; 21.74,61.75 21.83,61.66 ; 21.74,61.75 21.83,61.66 ; 21.83,61.66 v1(22.33,61.16) 21.83,61.66 ; 23.85,44.87 v1(24.35,44.37) 23.85,44.87 ; 23.85,44.87 23.67,45.05 ; 23.85,44.87 23.67,45.05 ; 23.67,45.05 23.67,45.63 23.67,45.05 ; 27.8,44.15 v1(27.8,44.28) 27.8,44.15 ; 27.8,44.15 29.3,42.65 ; 27.8,44.15 29.3,42.65 ; 29.3,42.65 D2#18.6 29.3,42.65 ; 14.89,45.48 v1(15.39,44.98) ; 14.89,45.48 v1(15.39,44.98) ; 14.89,45.48 14.52,45.85 ; 14.89,45.48 14.52,45.85 ; v1(15.39,44.98) 15.39,45.69 ; v1(15.39,44.98) 15.39,45.69 ; 14.52,54.35 14.89,53.98 ; 14.52,54.35 D1#22.4 14.52,54.35 ; 14.52,54.35 14.89,53.98 ; 14.89,53.98 v1(15.39,53.48) ; 14.89,53.98 v1(15.39,53.48) ; 15.39,54.19 16.45,55.25 ; 15.39,54.19 v1(15.39,53.48) ; 15.39,54.19 16.45,55.25 ; 15.39,54.19 v1(15.39,53.48) ; 16.45,55.25 18.77,55.25 ; 16.45,55.25 18.77,55.25 ; 18.77,55.25 20.77,53.25 ; 18.77,55.25 20.77,53.25 ; 20.77,53.25 21.74,53.25 ; 20.77,53.25 21.74,53.25 ; 21.74,53.25 21.83,53.16 ; 21.74,53.25 21.83,53.16 ; 21.83,53.16 v1(22.33,52.66) 21.83,53.16 ; 29.3,51.15 27.8,52.65 ; 29.3,51.15 D2#17.6 29.3,51.15 ; 29.3,51.15 27.8,52.65 ; 27.8,52.65 v1(27.8,52.78) 27.8,52.65 ; 23.67,53.55 23.85,53.37 ; 23.67,53.55 23.67,54.13 23.67,53.55 ; 23.67,53.55 23.85,53.37 ; 23.85,53.37 v1(24.35,52.87) 23.85,53.37 ; 15.39,45.69 16.45,46.75 ; 15.39,45.69 16.45,46.75 ; 16.45,46.75 18.77,46.75 ; 16.45,46.75 18.77,46.75 ; 14.52,45.85 D1#18.4 14.52,45.85 ; 18.77,46.75 20.77,44.75 ; 18.77,46.75 20.77,44.75 ; 20.77,44.75 21.74,44.75 ; 20.77,44.75 21.74,44.75 ; 21.74,44.75 21.83,44.66 ; 21.74,44.75 21.83,44.66 ; 21.83,44.66 v1(22.33,44.16) 21.83,44.66 ; 23.67,28.05 23.85,27.87 ; 23.67,28.05 23.67,28.63 23.67,28.05 ; 23.67,28.05 23.85,27.87 ; 23.85,27.87 v1(24.35,27.37) 23.85,27.87 ; 29.3,25.65 27.8,27.15 ; 29.3,25.65 D2#25.6 29.3,25.65 ; 29.3,25.65 27.8,27.15 ; 27.8,27.15 v1(27.8,27.28) 27.8,27.15 ; 20.77,27.75 21.74,27.75 ; 20.77,27.75 18.77,29.75 ; 20.77,27.75 18.77,29.75 ; 20.77,27.75 21.74,27.75 ; 21.74,27.75 21.83,27.66 ; 21.74,27.75 21.83,27.66 ; 21.83,27.66 v1(22.33,27.16) 21.83,27.66 ; 16.45,29.75 18.77,29.75 ; 16.45,29.75 15.39,28.69 ; 16.45,29.75 15.39,28.69 ; 16.45,29.75 18.77,29.75 ; v1(15.39,27.98) 15.39,28.69 ; v1(15.39,27.98) 14.89,28.48 ; v1(15.39,27.98) 15.39,28.69 ; v1(15.39,27.98) 14.89,28.48 ; 14.52,28.85 D1#27.4 14.52,28.85 ; 14.52,28.85 14.89,28.48 ; 14.52,28.85 14.89,28.48 ; 23.85,19.37 v1(24.35,18.87) 23.85,19.37 ; 23.85,19.37 23.67,19.55 ; 23.85,19.37 23.67,19.55 ; 23.67,19.55 23.67,20.13 23.67,19.55 ; 27.8,18.65 v1(27.8,18.78) 27.8,18.65 ; 27.8,18.65 29.3,17.15 ; 27.8,18.65 29.3,17.15 ; 29.3,17.15 D2#28.6 29.3,17.15 ; 14.89,19.98 v1(15.39,19.48) ; 14.89,19.98 14.52,20.35 ; 14.89,19.98 v1(15.39,19.48) ; 14.89,19.98 14.52,20.35 ; v1(15.39,19.48) 15.39,20.19 ; v1(15.39,19.48) 15.39,20.19 ; 14.52,20.35 D1#28.4 14.52,20.35 ; 15.39,20.19 16.45,21.25 ; 15.39,20.19 16.45,21.25 ; 16.45,21.25 18.77,21.25 ; 16.45,21.25 18.77,21.25 ; 18.77,21.25 20.77,19.25 ; 18.77,21.25 20.77,19.25 ; 20.77,19.25 21.74,19.25 ; 20.77,19.25 21.74,19.25 ; 21.74,19.25 21.83,19.16 ; 21.74,19.25 21.83,19.16 ; 21.83,19.16 v1(22.33,18.66) 21.83,19.16 ; 23.67,36.55 23.67,37.13 23.67,36.55 ; 23.67,36.55 23.85,36.37 ; 23.67,36.55 23.85,36.37 ; 23.85,36.37 v1(24.35,35.87) 23.85,36.37 ; 27.8,35.65 v1(27.8,35.78) 27.8,35.65 ; 27.8,35.65 29.3,34.15 ; 27.8,35.65 29.3,34.15 ; 29.3,34.15 D2#30.6 29.3,34.15 ; 14.89,11.48 v1(15.39,10.98) ; 14.89,11.48 14.52,11.85 ; 14.89,11.48 14.52,11.85 ; 14.89,11.48 v1(15.39,10.98) ; v1(15.39,10.98) 15.39,11.69 ; v1(15.39,10.98) 15.39,11.69 ; 14.52,11.85 D1#26.4 14.52,11.85 ; 18.77,12.75 20.77,10.75 ; 18.77,12.75 16.45,12.75 ; 18.77,12.75 20.77,10.75 ; 18.77,12.75 16.45,12.75 ; 20.77,10.75 21.74,10.75 ; 20.77,10.75 21.74,10.75 ; 16.45,12.75 15.39,11.69 ; 16.45,12.75 15.39,11.69 ; 21.74,10.75 21.83,10.66 ; 21.74,10.75 21.83,10.66 ; 21.83,10.66 v1(22.33,10.16) 21.83,10.66 ; 29.3,8.65 27.8,10.15 ; 29.3,8.65 27.8,10.15 ; 29.3,8.65 D2#26.6 29.3,8.65 ; 27.8,10.15 v1(27.8,10.28) 27.8,10.15 ; 23.67,11.05 23.85,10.87 ; 23.67,11.05 23.85,10.87 ; 23.67,11.05 23.67,11.63 23.67,11.05 ; 23.85,10.87 v1(24.35,10.37) 23.85,10.87 ; 14.89,36.98 v1(15.39,36.48) ; 14.89,36.98 14.52,37.35 ; 14.89,36.98 v1(15.39,36.48) ; 14.89,36.98 14.52,37.35 ; v1(15.39,36.48) 15.39,37.19 ; v1(15.39,36.48) 15.39,37.19 ; 14.52,37.35 D1#25.4 14.52,37.35 ; 15.39,37.19 16.45,38.25 ; 15.39,37.19 16.45,38.25 ; 16.45,38.25 18.77,38.25 ; 16.45,38.25 18.77,38.25 ; 18.77,38.25 20.77,36.25 ; 18.77,38.25 20.77,36.25 ; 20.77,36.25 21.74,36.25 ; 20.77,36.25 21.74,36.25 ; 21.74,36.25 21.83,36.16 ; 21.74,36.25 21.83,36.16 ; 21.83,36.16 v1(22.33,35.66) 21.83,36.16